# Altium PCB MiniSystem-Pcb-All.PcbDoc (part 5 of 8) (continued)
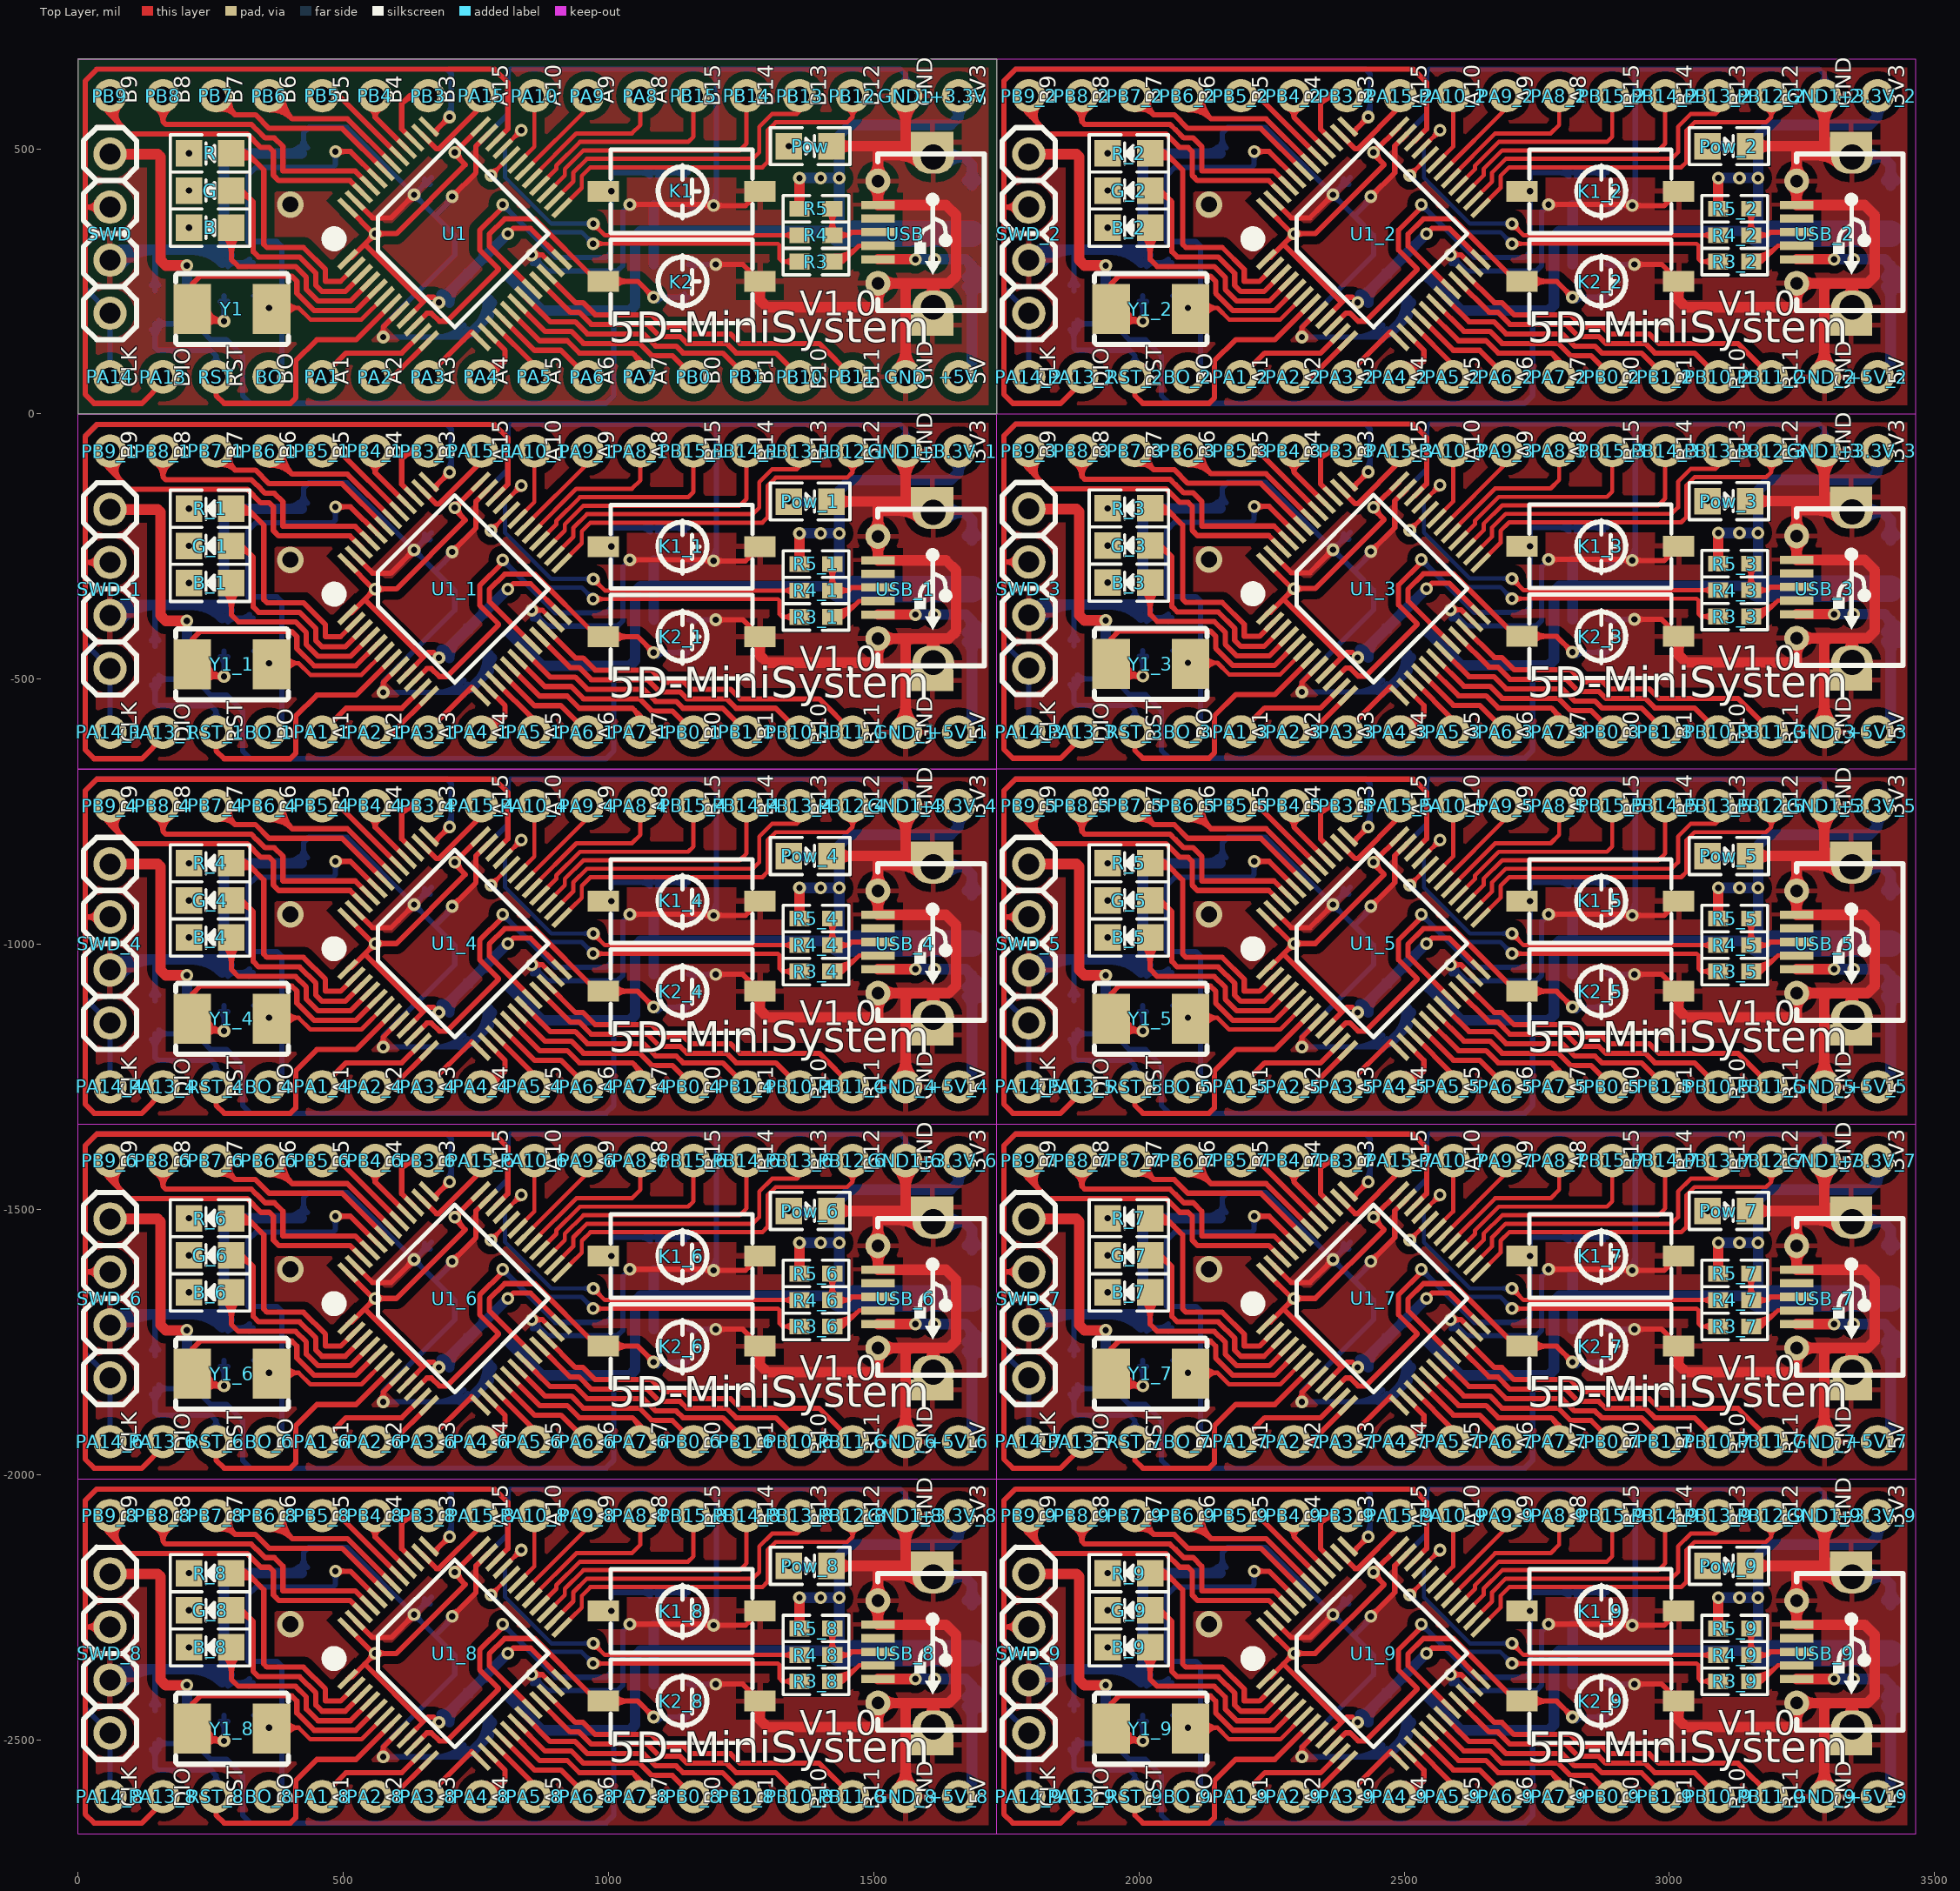
[diagram p0: Top Layer view]
## Nets (pads, with @x,y where several pads share a name; then routed paths per layer and width w, separated by ;. In a path a pad name is that pad's centre, name@x,y a point inside that pad or via, vN(x,y) a via of type N, cw(c..) or ccw(c..) an arc to the next point about the centre after c; other vN are vias at no path point) (continued)
2795.36,-1939.56 ; 2790.58,-1236.88 cw(c2770.7,-1256.76) 2795.36,-1270.27 ; 2790.58,-567.59 cw(c2770.7,-587.47) 2795.36,-600.97 ; 2790.58,101.7 cw(c2770.7,81.82) 2795.36,68.32 ; v1@2810.28,-2457.17 ccw(c2793.38,-2457.17) 2805.33,-2445.22 ccw(c2817.28,-2433.27) v1@2817.28,-2450.17 ; v1@2810.28,-1787.87 ccw(c2793.38,-1787.87) 2805.33,-1775.92 ccw(c2817.28,-1763.97) v1@2817.28,-1780.87 ; v1@2810.28,-1118.58 ccw(c2793.38,-1118.58) 2805.33,-1106.63 ccw(c2817.28,-1094.68) v1@2817.28,-1111.58 ; v1@2810.28,-449.29 ccw(c2793.38,-449.29) 2805.33,-437.34 ccw(c2817.28,-425.39) v1@2817.28,-442.29 ; v1@2810.28,220 ccw(c2793.38,220) 2805.33,231.95 ccw(c2817.28,243.9) v1@2817.28,227 ; 2908.56,-2282.17 cw(c2908.56,-2305.89) v1@2925.33,-2289.12 ; 2908.56,-1612.87 cw(c2908.56,-1636.6) v1@2925.33,-1619.82 ; 2908.56,-943.58 cw(c2908.56,-967.31) v1@2925.33,-950.53 ; 2908.56,-274.29 cw(c2908.56,-298.02) v1@2925.33,-281.24 ; 2908.56,395 cw(c2908.56,371.27) v1@2925.33,388.05 ; 2918.21,-2282.17 ccw(c2918.21,-2272.09) v1@2925.33,-2279.22 ; 2918.21,-1612.87 ccw(c2918.21,-1602.8) v1@2925.33,-1609.92 ; 2918.21,-943.58 ccw(c2918.21,-933.51) v1@2925.33,-940.63 ; 2918.21,-274.29 ccw(c2918.21,-264.22) v1@2925.33,-271.34 ; 2918.21,395 ccw(c2918.21,405.07) v1@2925.33,397.95 ; v1(2930.28,-2284.17) 2990.56,-2284.17 3017.56,-2257.17 ; v1(2930.28,-1614.87) 2990.56,-1614.87 3017.56,-1587.87 ; v1(2930.28,-945.58) 2990.56,-945.58 3017.56,-918.58 ; v1(2930.28,-276.29) 2990.56,-276.29 3017.56,-249.29 ; v1(2930.28,393) 2990.56,393 3017.56,420 ; v1(2934.28,-2395.17) 2985.56,-2395.17 3017.56,-2427.17 ; v1(2934.28,-1725.87) 2985.56,-1725.87 3017.56,-1757.87 ; v1(2934.28,-1056.58) 2985.56,-1056.58 3017.56,-1088.58 ; v1(2934.28,-387.29) 2985.56,-387.29 3017.56,-419.29 ; v1(2934.28,282) 2985.56,282 3017.56,250 ; v1@2935.23,-2289.12 cw(c2947.18,-2301.06) 2947.18,-2284.17 cw(c2947.18,-2267.27) v1@2935.23,-2279.22 ; v1@2935.23,-1619.82 cw(c2947.18,-1631.77) 2947.18,-1614.87 cw(c2947.18,-1597.97) v1@2935.23,-1609.92 ; v1@2935.23,-950.53 cw(c2947.18,-962.48) 2947.18,-945.58 cw(c2947.18,-928.68) v1@2935.23,-940.63 ; v1@2935.23,-281.24 cw(c2947.18,-293.19) 2947.18,-276.29 cw(c2947.18,-259.39) v1@2935.23,-271.34 ; v1@2935.23,388.05 cw(c2947.18,376.1) 2947.18,393 cw(c2947.18,409.9) v1@2935.23,397.95 ; v1@2939.23,-2400.12 cw(c2951.18,-2412.06) 2951.18,-2395.17 cw(c2951.18,-2378.27) v1@2939.23,-2390.22 ; v1@2939.23,-1730.82 cw(c2951.18,-1742.77) 2951.18,-1725.87 cw(c2951.18,-1708.97) v1@2939.23,-1720.92 ; v1@2939.23,-1061.53 cw(c2951.18,-1073.48) 2951.18,-1056.58 cw(c2951.18,-1039.68) v1@2939.23,-1051.63 ; v1@2939.23,-392.24 cw(c2951.18,-404.19) 2951.18,-387.29 cw(c2951.18,-370.39) v1@2939.23,-382.34 ; v1@2939.23,277.05 cw(c2951.18,265.1) 2951.18,282 cw(c2951.18,298.9) v1@2939.23,286.95 ; 2995.42,-2405.03 cw(c2976.62,-2423.83) 3003.06,-2426.67 ; 2995.42,-1735.74 cw(c2976.62,-1754.54) 3003.06,-1757.37 ; 2995.42,-1066.45 cw(c2976.62,-1085.25) 3003.06,-1088.08 ; 2995.42,-397.15 cw(c2976.62,-415.96) 3003.06,-418.79 ; 2995.42,272.14 cw(c2976.62,253.34) 3003.06,250.5 ; 2995.48,-2279.24 ccw(c2988.6,-2272.36) 2996.22,-2266.3 ; 2995.48,-1609.95 ccw(c2988.6,-1603.07) 2996.22,-1597.01 ; 2995.48,-940.66 ccw(c2988.6,-933.78) 2996.22,-927.72 ; 2995.48,-271.37 ccw(c2988.6,-264.48) 2996.22,-258.43 ; 2995.48,397.92 ccw(c2988.6,404.81) 2996.22,410.86 ; 2999.45,-2409.06 ccw(c3007.72,-2400.79) 3007.72,-2412.48 ; 2999.45,-2275.27 cw(c3007.72,-2283.54) 3007.72,-2271.85 ; 2999.45,-1739.76 ccw(c3007.72,-1731.5) 3007.72,-1743.19 ; 2999.45,-1605.98 cw(c3007.72,-1614.25) 3007.72,-1602.56 ; 2999.45,-1070.47 ccw(c3007.72,-1062.21) 3007.72,-1073.9 ; 2999.45,-936.69 cw(c3007.72,-944.96) 3007.72,-933.27 ; 2999.45,-401.18 ccw(c3007.72,-392.92) 3007.72,-404.61 ; 2999.45,-267.4 cw(c3007.72,-275.67) 3007.72,-263.98 ; 2999.45,268.11 ccw(c3007.72,276.38) 3007.72,264.68 ; 2999.45,401.89 cw(c3007.72,393.62) 3007.72,405.32 ; 3147.21,-2333.09 ccw(c3130.14,-2316.02) 3154.28,-2316.02 ccw(c3178.43,-2316.02) 3161.35,-2333.09 ; 3147.21,-2297.24 cw(c3130.14,-2314.31) 3154.28,-2314.31 cw(c3178.43,-2314.31) 3161.35,-2297.24 ; 3147.21,-1663.8 ccw(c3130.14,-1646.73) 3154.28,-1646.73 ccw(c3178.43,-1646.73) 3161.35,-1663.8 ; 3147.21,-1627.95 cw(c3130.14,-1645.02) 3154.28,-1645.02 cw(c3178.43,-1645.02) 3161.35,-1627.95 ; 3147.21,-994.51 ccw(c3130.14,-977.44) 3154.28,-977.44 ccw(c3178.43,-977.44) 3161.35,-994.51 ; 3147.21,-958.65 cw(c3130.14,-975.72) 3154.28,-975.72 cw(c3178.43,-975.72) 3161.35,-958.65 ; 3147.21,-325.22 ccw(c3130.14,-308.15) 3154.28,-308.15 ccw(c3178.43,-308.15) 3161.35,-325.22 ; 3147.21,-289.36 cw(c3130.14,-306.43) 3154.28,-306.43 cw(c3178.43,-306.43) 3161.35,-289.36 ; 3147.21,344.07 ccw(c3130.14,361.14) 3154.28,361.14 ccw(c3178.43,361.14) 3161.35,344.07 ; 3147.21,379.93 cw(c3130.14,362.86) 3154.28,362.86 cw(c3178.43,362.86) 3161.35,379.93 ; 3154.28,-2290.17 3154.28,-2340.17 3184.28,-2340.17 3190.15,-2334.3 3240.12,-2334.3 ; 3154.28,-1620.87 3154.28,-1670.87 3184.28,-1670.87 3190.15,-1665.01 3240.12,-1665.01 ; 3154.28,-951.58 3154.28,-1001.58 3184.28,-1001.58 3190.15,-995.72 3240.12,-995.72 ; 3154.28,-282.29 3154.28,-332.29 3184.28,-332.29 3190.15,-326.43 3240.12,-326.43 ; 3154.28,387 3154.28,337 3184.28,337 3190.15,342.86 3240.12,342.86 ; 3165.35,-2347.24 cw(c3182.43,-2364.31) 3182.43,-2340.17 cw(c3182.43,-2316.02) 3165.35,-2333.09 ; 3165.35,-1677.95 cw(c3182.43,-1695.02) 3182.43,-1670.87 cw(c3182.43,-1646.73) 3165.35,-1663.8 ; 3165.35,-1008.65 cw(c3182.43,-1025.72) 3182.43,-1001.58 cw(c3182.43,-977.44) 3165.35,-994.51 ; 3165.35,-339.36 cw(c3182.43,-356.43) 3182.43,-332.29 cw(c3182.43,-308.15) 3165.35,-325.22 ; 3165.35,329.93 cw(c3182.43,312.86) 3182.43,337 cw(c3182.43,361.14) 3165.35,344.07 ; 295.7,-2112.87 334.19,-2112.87 359.98,-2138.66 405,-2138.66 ; 295.7,-1443.57 334.19,-1443.57 359.98,-1469.37 405,-1469.37 ; 295.7,-774.28 334.19,-774.28 359.98,-800.08 405,-800.08 ; 295.7,-105.7 334.19,-105.7 359.98,-131.5 405,-131.5 ; 318.7,-2185.87 350,-2217.17 350,-2357.17 356,-2363.17 400,-2363.17 ; 318.7,-1516.57 350,-1547.87 350,-1687.87 356,-1693.87 400,-1693.87 ; 318.7,-847.28 350,-878.58 350,-1018.58 356,-1024.58 400,-1024.58 ; 318.7,-178.7 350,-210 350,-350 356,-356 400,-356 ; 2027.98,-2112.87 2066.47,-2112.87 2092.27,-2138.66 2137.28,-2138.66 ; 2027.98,-1443.57 2066.47,-1443.57 2092.27,-1469.37 2137.28,-1469.37 ; 2027.98,-774.28 2066.47,-774.28 2092.27,-800.08 2137.28,-800.08 ; 2027.98,-104.99 2066.47,-104.99 2092.27,-130.79 2137.28,-130.79 ; 2027.98,564.3 2066.47,564.3 2092.27,538.5 2137.28,538.5 ; 2050.98,-2185.87 2082.28,-2217.17 2082.28,-2357.17 2088.28,-2363.17 2132.28,-2363.17 ; 2050.98,-1516.57 2082.28,-1547.87 2082.28,-1687.87 2088.28,-1693.87 2132.28,-1693.87 ; 2050.98,-847.28 2082.28,-878.58 2082.28,-1018.58 2088.28,-1024.58 2132.28,-1024.58 ; 2050.98,-177.99 2082.28,-209.29 2082.28,-349.29 2088.28,-355.29 2132.28,-355.29 ; 2050.98,491.3 2082.28,460 2082.28,320 2088.28,314 2132.28,314
  Top Layer w20: 60,-2187.17 150,-2187.17 155,-2192.17 155,-2387.17 165,-2397.17 v1(205,-2397.17) ; 60,-1517.87 150,-1517.87 155,-1522.87 155,-1717.87 165,-1727.87 v1(205,-1727.87) ; 60,-848.58 150,-848.58 155,-853.58 155,-1048.58 165,-1058.58 v1(205,-1058.58) ; 60,-180 150,-180 155,-185 155,-380 165,-390 v1(205,-390) ; 1278.43,-2434.01 cw(c1261.89,-2450.55) 1285.28,-2450.55 cw(c1308.66,-2450.55) 1292.12,-2434.01 ; 1278.43,-1764.72 cw(c1261.89,-1781.26) 1285.28,-1781.26 cw(c1308.66,-1781.26) 1292.12,-1764.72 ; 1278.43,-1095.43 cw(c1261.89,-1111.96) 1285.28,-1111.96 cw(c1308.66,-1111.96) 1292.12,-1095.43 ; 1278.43,-426.85 cw(c1261.89,-443.38) 1285.28,-443.38 cw(c1308.66,-443.38) 1292.12,-426.85 ; 1285.28,-2427.17 1285.28,-2462.44 1298.87,-2476.04 1507.84,-2476.04 ; 1285.28,-1757.87 1285.28,-1793.15 1298.87,-1806.74 1507.84,-1806.74 ; 1285.28,-1088.58 1285.28,-1123.86 1298.87,-1137.45 1507.84,-1137.45 ; 1285.28,-420 1285.28,-455.28 1298.87,-468.87 1507.84,-468.87 ; 1360,-2290.17 v1(1360,-2232.17) ; 1360,-1620.87 v1(1360,-1562.87) ; 1360,-951.58 v1(1360,-893.58) ; 1360,-283 v1(1360,-225) ; 1420,-2172.17 1515,-2172.17 ; 1420,-1502.87 1515,-1502.87 ; 1420,-833.58 1515,-833.58 ; 1420,-165 1515,-165 ; 1430.61,-2182.77 cw(c1456.21,-2208.38) 1456.21,-2172.17 cw(c1456.21,-2135.95) 1430.61,-2161.56 ; 1430.61,-1513.48 cw(c1456.21,-1539.09) 1456.21,-1502.87 cw(c1456.21,-1466.66) 1430.61,-1492.27 ; 1430.61,-844.19 cw(c1456.21,-869.8) 1456.21,-833.58 cw(c1456.21,-797.37) 1430.61,-822.98 ; 1430.61,-175.61 cw(c1456.21,-201.21) 1456.21,-165 cw(c1456.21,-128.79) 1430.61,-154.39 ; 1498.2,-2440.39 cw(c1474.95,-2463.65) 1507.84,-2463.65 cw(c1540.72,-2463.65) 1517.47,-2440.39 cw(c1540.72,-2463.65) 1540.72,-2430.76 cw(c1540.72,-2397.87) 1517.47,-2421.13 ; 1498.2,-2247.48 cw(c1474.95,-2270.73) 1507.84,-2270.73 cw(c1540.72,-2270.73) 1517.47,-2247.48 ; 1498.2,-2228.21 ccw(c1474.95,-2204.96) 1507.84,-2204.96 ccw(c1540.72,-2204.96) 1517.47,-2228.21 ; 1498.2,-1771.1 cw(c1474.95,-1794.36) 1507.84,-1794.36 cw(c1540.72,-1794.36) 1517.47,-1771.1 cw(c1540.72,-1794.36) 1540.72,-1761.47 cw(c1540.72,-1728.58) 1517.47,-1751.84 ; 1498.2,-1578.19 cw(c1474.95,-1601.44) 1507.84,-1601.44 cw(c1540.72,-1601.44) 1517.47,-1578.19 ; 1498.2,-1558.92 ccw(c1474.95,-1535.67) 1507.84,-1535.67 ccw(c1540.72,-1535.67) 1517.47,-1558.92 ; 1498.2,-1101.81 cw(c1474.95,-1125.06) 1507.84,-1125.06 cw(c1540.72,-1125.06) 1517.47,-1101.81 cw(c1540.72,-1125.06) 1540.72,-1092.18 cw(c1540.72,-1059.29) 1517.47,-1082.55 ; 1498.2,-908.9 cw(c1474.95,-932.15) 1507.84,-932.15 cw(c1540.72,-932.15) 1517.47,-908.9 ; 1498.2,-889.63 ccw(c1474.95,-866.38) 1507.84,-866.38 ccw(c1540.72,-866.38) 1517.47,-889.63 ; 1498.2,-433.23 cw(c1474.95,-456.48) 1507.84,-456.48 cw(c1540.72,-456.48) 1517.47,-433.23 cw(c1540.72,-456.48) 1540.72,-423.6 cw(c1540.72,-390.71) 1517.47,-413.96 ; 1498.2,-240.31 cw(c1474.95,-263.57) 1507.84,-263.57 cw(c1540.72,-263.57) 1517.47,-240.31 ; 1498.2,-221.05 ccw(c1474.95,-197.79) 1507.84,-197.79 ccw(c1540.72,-197.79) 1517.47,-221.05 ; 1507.84,-2473.87 1507.84,-2430.76 ; 1507.84,-2385.48 v1(1578.32,-2385.48) ; 1507.84,-1804.58 1507.84,-1761.47 ; 1507.84,-1716.19 v1(1578.32,-1716.19) ; 1507.84,-1135.29 1507.84,-1092.18 ; 1507.84,-1046.9 v1(1578.32,-1046.9) ; 1507.84,-466.7 1507.84,-423.59 ; 1507.84,-378.32 v1(1578.32,-378.32) ; 1510.67,-2433.6 1507.84,-2430.76 ; 1510.67,-1764.3 1507.84,-1761.47 ; 1510.67,-1095.01 1507.84,-1092.18 ; 1510.67,-426.43 1507.84,-423.59 ; 1544.57,-2189.33 cw(c1544.57,-2252.29) 1589.09,-2207.77 ; 1544.57,-1520.04 cw(c1544.57,-1583) 1589.09,-1538.48 ; 1544.57,-850.75 cw(c1544.57,-913.71) 1589.09,-869.19 ; 1544.57,-182.16 cw(c1544.57,-245.13) 1589.09,-200.61 ; 1544.8,-2591.97 ccw(c1508.1,-2555.27) 1560,-2555.27 ccw(c1611.9,-2555.27) 1575.2,-2591.97 ; 1544.8,-2092.37 cw(c1508.1,-2129.06) 1560,-2129.06 cw(c1611.9,-2129.06) 1575.2,-2092.37 ; 1544.8,-1922.67 ccw(c1508.1,-1885.98) 1560,-1885.98 ccw(c1611.9,-1885.98) 1575.2,-1922.67 ; 1544.8,-1423.07 cw(c1508.1,-1459.77) 1560,-1459.77 cw(c1611.9,-1459.77) 1575.2,-1423.07 ; 1544.8,-1253.38 ccw(c1508.1,-1216.69) 1560,-1216.69 ccw(c1611.9,-1216.69) 1575.2,-1253.38 ; 1544.8,-753.78 cw(c1508.1,-790.48) 1560,-790.48 cw(c1611.9,-790.48) 1575.2,-753.78 ; 1544.8,-584.8 ccw(c1508.1,-548.1) 1560,-548.1 ccw(c1611.9,-548.1) 1575.2,-584.8 ; 1544.8,-85.2 cw(c1508.1,-121.9) 1560,-121.9 cw(c1611.9,-121.9) 1575.2,-85.2 ; 1555.36,-2189.33 ccw(c1555.36,-2130.6) 1597.36,-2171.66 ; 1555.36,-1520.04 ccw(c1555.36,-1461.31) 1597.36,-1502.36 ; 1555.36,-850.75 ccw(c1555.36,-792.02) 1597.36,-833.07 ; 1555.36,-182.16 ccw(c1555.36,-123.44) 1597.36,-164.49 ; 1560,-2607.17 1560,-2430.76 ; 1560,-2077.17 1560,-2172.17 1515,-2172.17 ; 1560,-1937.87 1560,-1761.47 ; 1560,-1407.87 1560,-1502.87 1515,-1502.87 ; 1560,-1268.58 1560,-1092.18 ; 1560,-738.58 1560,-833.58 1515,-833.58 ; 1560,-600 1560,-423.59 ; 1560,-70 1560,-165 1515,-165 ; 1560.22,-2189.33 ccw(c1560.22,-2148.5) 1589.09,-2177.37 ; 1560.22,-1520.04 ccw(c1560.22,-1479.21) 1589.09,-1508.08 ; 1560.22,-850.75 ccw(c1560.22,-809.92) 1589.09,-838.79 ; 1560.22,-182.16 ccw(c1560.22,-141.33) 1589.09,-170.21 ; 1583.05,-2157.67 cw(c1507.84,-2084.14) 1507.84,-2189.33 ; 1583.05,-1488.38 cw(c1507.84,-1414.85) 1507.84,-1520.04 ; 1583.05,-819.09 cw(c1507.84,-745.56) 1507.84,-850.75 ; 1583.05,-150.51 cw(c1507.84,-76.98) 1507.84,-182.16 ; 1599.45,-2458.71 ccw(c1581.02,-2433.6) 1612.16,-2433.6 ; 1599.45,-1789.41 ccw(c1581.02,-1764.31) 1612.16,-1764.31 ; 1599.45,-1120.12 ccw(c1581.02,-1095.01) 1612.16,-1095.01 ; 1599.45,-451.54 ccw(c1581.02,-426.43) 1612.16,-426.43 ; 1608.92,-2189.33 1507.84,-2189.33 ; 1608.92,-1520.04 1507.84,-1520.04 ; 1608.92,-850.75 1507.84,-850.75 ; 1608.92,-182.16 1507.84,-182.16 ; 1612.16,-2476.04 1612.16,-2433.6 ; 1612.16,-1806.74 1612.16,-1764.3 ; 1612.16,-1137.45 1612.16,-1095.01 ; 1612.16,-468.87 1612.16,-426.43 ; 1624.88,-2458.71 cw(c1643.31,-2433.6) 1612.16,-2433.6 ; 1624.88,-1789.41 cw(c1643.31,-1764.31) 1612.16,-1764.31 ; 1624.88,-1120.12 cw(c1643.31,-1095.01) 1612.16,-1095.01 ; 1624.88,-451.54 cw(c1643.31,-426.43) 1612.16,-426.43 ; 1792.28,-2187.17 1882.28,-2187.17 1887.28,-2192.17 1887.28,-2387.17 1897.28,-2397.17 v1(1937.28,-2397.17) ; 1792.28,-1517.87 1882.28,-1517.87 1887.28,-1522.87 1887.28,-1717.87 1897.28,-1727.87 v1(1937.28,-1727.87) ; 1792.28,-848.58 1882.28,-848.58 1887.28,-853.58 1887.28,-1048.58 1897.28,-1058.58 v1(1937.28,-1058.58) ; 1792.28,-179.29 1882.28,-179.29 1887.28,-184.29 1887.28,-379.29 1897.28,-389.29 v1(1937.28,-389.29) ; 1792.28,490 1882.28,490 1887.28,485 1887.28,290 1897.28,280 v1(1937.28,280) ; 3010.71,-2434.01 cw(c2994.18,-2450.55) 3017.56,-2450.55 cw(c3040.94,-2450.55) 3024.41,-2434.01 ; 3010.71,-1764.72 cw(c2994.18,-1781.26) 3017.56,-1781.26 cw(c3040.94,-1781.26) 3024.41,-1764.72 ; 3010.71,-1095.43 cw(c2994.18,-1111.96) 3017.56,-1111.96 cw(c3040.94,-1111.96) 3024.41,-1095.43 ; 3010.71,-426.14 cw(c2994.18,-442.67) 3017.56,-442.67 cw(c3040.94,-442.67) 3024.41,-426.14 ; 3010.71,243.15 cw(c2994.18,226.62) 3017.56,226.62 cw(c3040.94,226.62) 3024.41,243.15 ; 3017.56,-2427.17 3017.56,-2462.44 3031.15,-2476.04 3240.12,-2476.04 ; 3017.56,-1757.87 3017.56,-1793.15 3031.15,-1806.74 3240.12,-1806.74 ; 3017.56,-1088.58 3017.56,-1123.86 3031.15,-1137.45 3240.12,-1137.45 ; 3017.56,-419.29 3017.56,-454.57 3031.15,-468.16 3240.12,-468.16 ; 3017.56,250 3017.56,214.72 3031.15,201.13 3240.12,201.13 ; 3092.28,-2290.17 v1(3092.28,-2232.17) ; 3092.28,-1620.87 v1(3092.28,-1562.87) ; 3092.28,-951.58 v1(3092.28,-893.58) ; 3092.28,-282.29 v1(3092.28,-224.29) ; 3092.28,387 v1(3092.28,445) ; 3152.28,-2172.17 3247.28,-2172.17 ; 3152.28,-1502.87 3247.28,-1502.87 ; 3152.28,-833.58 3247.28,-833.58 ; 3152.28,-164.29 3247.28,-164.29 ; 3152.28,505 3247.28,505 ; 3162.89,-2182.77 cw(c3188.5,-2208.38) 3188.5,-2172.17 cw(c3188.5,-2135.95) 3162.89,-2161.56 ; 3162.89,-1513.48 cw(c3188.5,-1539.09) 3188.5,-1502.87 cw(c3188.5,-1466.66) 3162.89,-1492.27 ; 3162.89,-844.19 cw(c3188.5,-869.8) 3188.5,-833.58 cw(c3188.5,-797.37) 3162.89,-822.98 ; 3162.89,-174.9 cw(c3188.5,-200.5) 3188.5,-164.29 cw(c3188.5,-128.08) 3162.89,-153.68 ; 3162.89,494.39 cw(c3188.5,468.79) 3188.5,505 cw(c3188.5,541.21) 3162.89,515.61 ; 3230.49,-2440.39 cw(c3207.23,-2463.65) 3240.12,-2463.65 cw(c3273,-2463.65) 3249.75,-2440.39 cw(c3273,-2463.65) 3273,-2430.76 cw(c3273,-2397.87) 3249.75,-2421.13 ; 3230.49,-2247.48 cw(c3207.23,-2270.73) 3240.12,-2270.73 cw(c3273,-2270.73) 3249.75,-2247.48 ; 3230.49,-2228.21 ccw(c3207.23,-2204.96) 3240.12,-2204.96 ccw(c3273,-2204.96) 3249.75,-2228.21 ; 3230.49,-1771.1 cw(c3207.23,-1794.36) 3240.12,-1794.36 cw(c3273,-1794.36) 3249.75,-1771.1 cw(c3273,-1794.36) 3273,-1761.47 cw(c3273,-1728.58) 3249.75,-1751.84 ; 3230.49,-1578.19 cw(c3207.23,-1601.44) 3240.12,-1601.44 cw(c3273,-1601.44) 3249.75,-1578.19 ; 3230.49,-1558.92 ccw(c3207.23,-1535.67) 3240.12,-1535.67 ccw(c3273,-1535.67) 3249.75,-1558.92 ; 3230.49,-1101.81 cw(c3207.23,-1125.06) 3240.12,-1125.06 cw(c3273,-1125.06) 3249.75,-1101.81 cw(c3273,-1125.06) 3273,-1092.18 cw(c3273,-1059.29) 3249.75,-1082.55 ; 3230.49,-908.9 cw(c3207.23,-932.15) 3240.12,-932.15 cw(c3273,-932.15) 3249.75,-908.9 ; 3230.49,-889.63 ccw(c3207.23,-866.38) 3240.12,-866.38 ccw(c3273,-866.38) 3249.75,-889.63 ; 3230.49,-432.52 cw(c3207.23,-455.77) 3240.12,-455.77 cw(c3273,-455.77) 3249.75,-432.52 cw(c3273,-455.77) 3273,-422.89 cw(c3273,-390) 3249.75,-413.25 ; 3230.49,-239.6 cw(c3207.23,-262.86) 3240.12,-262.86 cw(c3273,-262.86) 3249.75,-239.6 ; 3230.49,-220.34 ccw(c3207.23,-197.09) 3240.12,-197.09 ccw(c3273,-197.09) 3249.75,-220.34 ; 3230.49,236.77 cw(c3207.23,213.52) 3240.12,213.52 cw(c3273,213.52) 3249.75,236.77 cw(c3273,213.52) 3273,246.4 cw(c3273,279.29) 3249.75,256.04 ; 3230.49,429.69 cw(c3207.23,406.43) 3240.12,406.43 cw(c3273,406.43) 3249.75,429.69 ; 3230.49,448.95 ccw(c3207.23,472.21) 3240.12,472.21 ccw(c3273,472.21) 3249.75,448.95 ; 3240.12,-2473.87 3240.12,-2430.76 ; 3240.12,-2385.48 v1(3310.6,-2385.48) ; 3240.12,-1804.58 3240.12,-1761.47 ; 3240.12,-1716.19 v1(3310.6,-1716.19) ; 3240.12,-1135.29 3240.12,-1092.18 ; 3240.12,-1046.9 v1(3310.6,-1046.9) ; 3240.12,-466 3240.12,-422.89 ; 3240.12,-377.61 v1(3310.6,-377.61) ; 3240.12,203.3 3240.12,246.41 ; 3240.12,291.68 v1(3310.6,291.68) ; 3242.95,-2433.6 3240.12,-2430.76 ; 3242.95,-1764.3 3240.12,-1761.47 ; 3242.95,-1095.01 3240.12,-1092.18 ; 3242.95,-425.72 3240.12,-422.89 ; 3242.95,243.57 3240.12,246.41 ; 3276.85,-2189.33 cw(c3276.85,-2252.29) 3321.37,-2207.77 ; 3276.85,-1520.04 cw(c3276.85,-1583) 3321.37,-1538.48 ; 3276.85,-850.75 cw(c3276.85,-913.71) 3321.37,-869.19 ; 3276.85,-181.46 cw(c3276.85,-244.42) 3321.37,-199.9 ; 3276.85,487.84 cw(c3276.85,424.87) 3321.37,469.39 ; 3277.08,-2591.97 ccw(c3240.39,-2555.27) 3292.28,-2555.27 ccw(c3344.18,-2555.27) 3307.48,-2591.97 ; 3277.08,-2092.37 cw(c3240.39,-2129.06) 3292.28,-2129.06 cw(c3344.18,-2129.06) 3307.48,-2092.37 ; 3277.08,-1922.67 ccw(c3240.39,-1885.98) 3292.28,-1885.98 ccw(c3344.18,-1885.98) 3307.48,-1922.67 ; 3277.08,-1423.07 cw(c3240.39,-1459.77) 3292.28,-1459.77 cw(c3344.18,-1459.77) 3307.48,-1423.07 ; 3277.08,-1253.38 ccw(c3240.39,-1216.69) 3292.28,-1216.69 ccw(c3344.18,-1216.69) 3307.48,-1253.38 ; 3277.08,-753.78 cw(c3240.39,-790.48) 3292.28,-790.48 cw(c3344.18,-790.48) 3307.48,-753.78 ; 3277.08,-584.09 ccw(c3240.39,-547.4) 3292.28,-547.4 ccw(c3344.18,-547.4) 3307.48,-584.09 ; 3277.08,-84.49 cw(c3240.39,-121.19) 3292.28,-121.19 cw(c3344.18,-121.19) 3307.48,-84.49 ; 3277.08,85.2 ccw(c3240.39,121.9) 3292.28,121.9 ccw(c3344.18,121.9) 3307.48,85.2 ; 3277.08,584.8 cw(c3240.39,548.1) 3292.28,548.1 cw(c3344.18,548.1) 3307.48,584.8 ; 3287.64,-2189.33 ccw(c3287.64,-2130.6) 3329.64,-2171.66 ; 3287.64,-1520.04 ccw(c3287.64,-1461.31) 3329.64,-1502.36 ; 3287.64,-850.75 ccw(c3287.64,-792.02) 3329.64,-833.07 ; 3287.64,-181.46 ccw(c3287.64,-122.73) 3329.64,-163.78 ; 3287.64,487.84 ccw(c3287.64,546.56) 3329.64,505.51 ; 3292.28,-2607.17 3292.28,-2430.76 ; 3292.28,-2077.17 3292.28,-2172.17 3247.28,-2172.17 ; 3292.28,-1937.87 3292.28,-1761.47 ; 3292.28,-1407.87 3292.28,-1502.87 3247.28,-1502.87 ; 3292.28,-1268.58 3292.28,-1092.18 ; 3292.28,-738.58 3292.28,-833.58 3247.28,-833.58 ; 3292.28,-599.29 3292.28,-422.89 ; 3292.28,-69.29 3292.28,-164.29 3247.28,-164.29 ; 3292.28,70 3292.28,246.41 ; 3292.28,600 3292.28,505 3247.28,505 ; 3292.5,-2189.33 ccw(c3292.5,-2148.5) 3321.37,-2177.37 ; 3292.5,-1520.04 ccw(c3292.5,-1479.21) 3321.37,-1508.08 ; 3292.5,-850.75 ccw(c3292.5,-809.92) 3321.37,-838.79 ; 3292.5,-181.46 ccw(c3292.5,-140.63) 3321.37,-169.5 ; 3292.5,487.84 ccw(c3292.5,528.67) 3321.37,499.79 ; 3315.34,-2157.67 cw(c3240.12,-2084.14) 3240.12,-2189.33 ; 3315.34,-1488.38 cw(c3240.12,-1414.85) 3240.12,-1520.04 ; 3315.34,-819.09 cw(c3240.12,-745.56) 3240.12,-850.75 ; 3315.34,-149.8 cw(c3240.12,-76.27) 3240.12,-181.46 ; 3315.34,519.49 cw(c3240.12,593.02) 3240.12,487.84 ; 3331.73,-2458.71 ccw(c3313.31,-2433.6) 3344.45,-2433.6 ; 3331.73,-1789.41 ccw(c3313.31,-1764.31) 3344.45,-1764.31 ; 3331.73,-1120.12 ccw(c3313.31,-1095.01) 3344.45,-1095.01 ; 3331.73,-450.83 ccw(c3313.31,-425.72) 3344.45,-425.72 ; 3331.73,218.46 ccw(c3313.31,243.57) 3344.45,243.57 ; 3341.21,-2189.33 3240.12,-2189.33 ; 3341.21,-1520.04 3240.12,-1520.04 ; 3341.21,-850.75 3240.12,-850.75 ; 3341.21,-181.46 3240.12,-181.46 ; 3341.21,487.84 3240.12,487.84 ; 3344.45,-2476.04 3344.45,-2433.6 ; 3344.45,-1806.74 3344.45,-1764.3 ; 3344.45,-1137.45 3344.45,-1095.01 ; 3344.45,-468.16 3344.45,-425.72 ; 3344.45,201.13 3344.45,243.57 ; 3357.17,-2458.71 cw(c3375.59,-2433.6) 3344.45,-2433.6 ; 3357.17,-1789.41 cw(c3375.59,-1764.31) 3344.45,-1764.31 ; 3357.17,-1120.12 cw(c3375.59,-1095.01) 3344.45,-1095.01 ; 3357.17,-450.83 cw(c3375.59,-425.72) 3344.45,-425.72 ; 3357.17,218.46 cw(c3375.59,243.57) 3344.45,243.57 ; 1507.84,-2430.76 1560,-2430.76 ; 1507.84,-2189.33 1507.84,-2179.33 1515,-2172.17 ; 1507.84,-2189.33 1507.84,-2237.85 1507.84,-2283.12 1635.96,-2283.12 1655,-2302.17 1655,-2417.17 1641.4,-2430.76 1560,-2430.76 ; 1507.84,-1761.47 1560,-1761.47 ; 1507.84,-1520.04 1507.84,-1510.04 1515,-1502.87 ; 1507.84,-1520.04 1507.84,-1568.56 1507.84,-1613.83 1635.96,-1613.83 1655,-1632.87 1655,-1747.87 1641.4,-1761.47 1560,-1761.47 ; 1507.84,-1092.18 1560,-1092.18 ; 1507.84,-850.75 1507.84,-840.75 1515,-833.58 ; 1507.84,-850.75 1507.84,-899.26 1507.84,-944.54 1635.96,-944.54 1655,-963.58 1655,-1078.58 1641.4,-1092.18 1560,-1092.18 ; 1507.84,-423.59 1560,-423.59 ; 1507.84,-182.16 1507.84,-172.16 1515,-165 ; 1507.84,-182.16 1507.84,-230.68 1507.84,-275.96 1635.96,-275.96 1655,-295 1655,-410 1641.4,-423.59 1560,-423.59 ; 3240.12,-2430.76 3292.28,-2430.76 ; 3240.12,-2189.33 3240.12,-2179.33 3247.28,-2172.17 ; 3240.12,-2189.33 3240.12,-2237.85 3240.12,-2283.12 3368.24,-2283.12 3387.28,-2302.17 3387.28,-2417.17 3373.69,-2430.76 3292.28,-2430.76 ; 3240.12,-1761.47 3292.28,-1761.47 ; 3240.12,-1520.04 3240.12,-1510.04 3247.28,-1502.87 ; 3240.12,-1520.04 3240.12,-1568.56 3240.12,-1613.83 3368.24,-1613.83 3387.28,-1632.87 3387.28,-1747.87 3373.69,-1761.47 3292.28,-1761.47 ; 3240.12,-1092.18 3292.28,-1092.18 ; 3240.12,-850.75 3240.12,-840.75 3247.28,-833.58 ; 3240.12,-850.75 3240.12,-899.26 3240.12,-944.54 3368.24,-944.54 3387.28,-963.58 3387.28,-1078.58 3373.69,-1092.18 3292.28,-1092.18 ; 3240.12,-422.89 3292.28,-422.89 ; 3240.12,-181.46 3240.12,-171.46 3247.28,-164.29 ; 3240.12,-181.46 3240.12,-229.97 3240.12,-275.25 3368.24,-275.25 3387.28,-294.29 3387.28,-409.29 3373.69,-422.89 3292.28,-422.89 ; 3240.12,246.41 3292.28,246.41 ; 3240.12,487.84 3240.12,497.84 3247.28,505 ; 3240.12,487.84 3240.12,439.32 3240.12,394.04 3368.24,394.04 3387.28,375 3387.28,260 3373.69,246.41 3292.28,246.41